# Altium PCB Levitador Magnetico.PcbDoc (part 1 of 3) (continued)
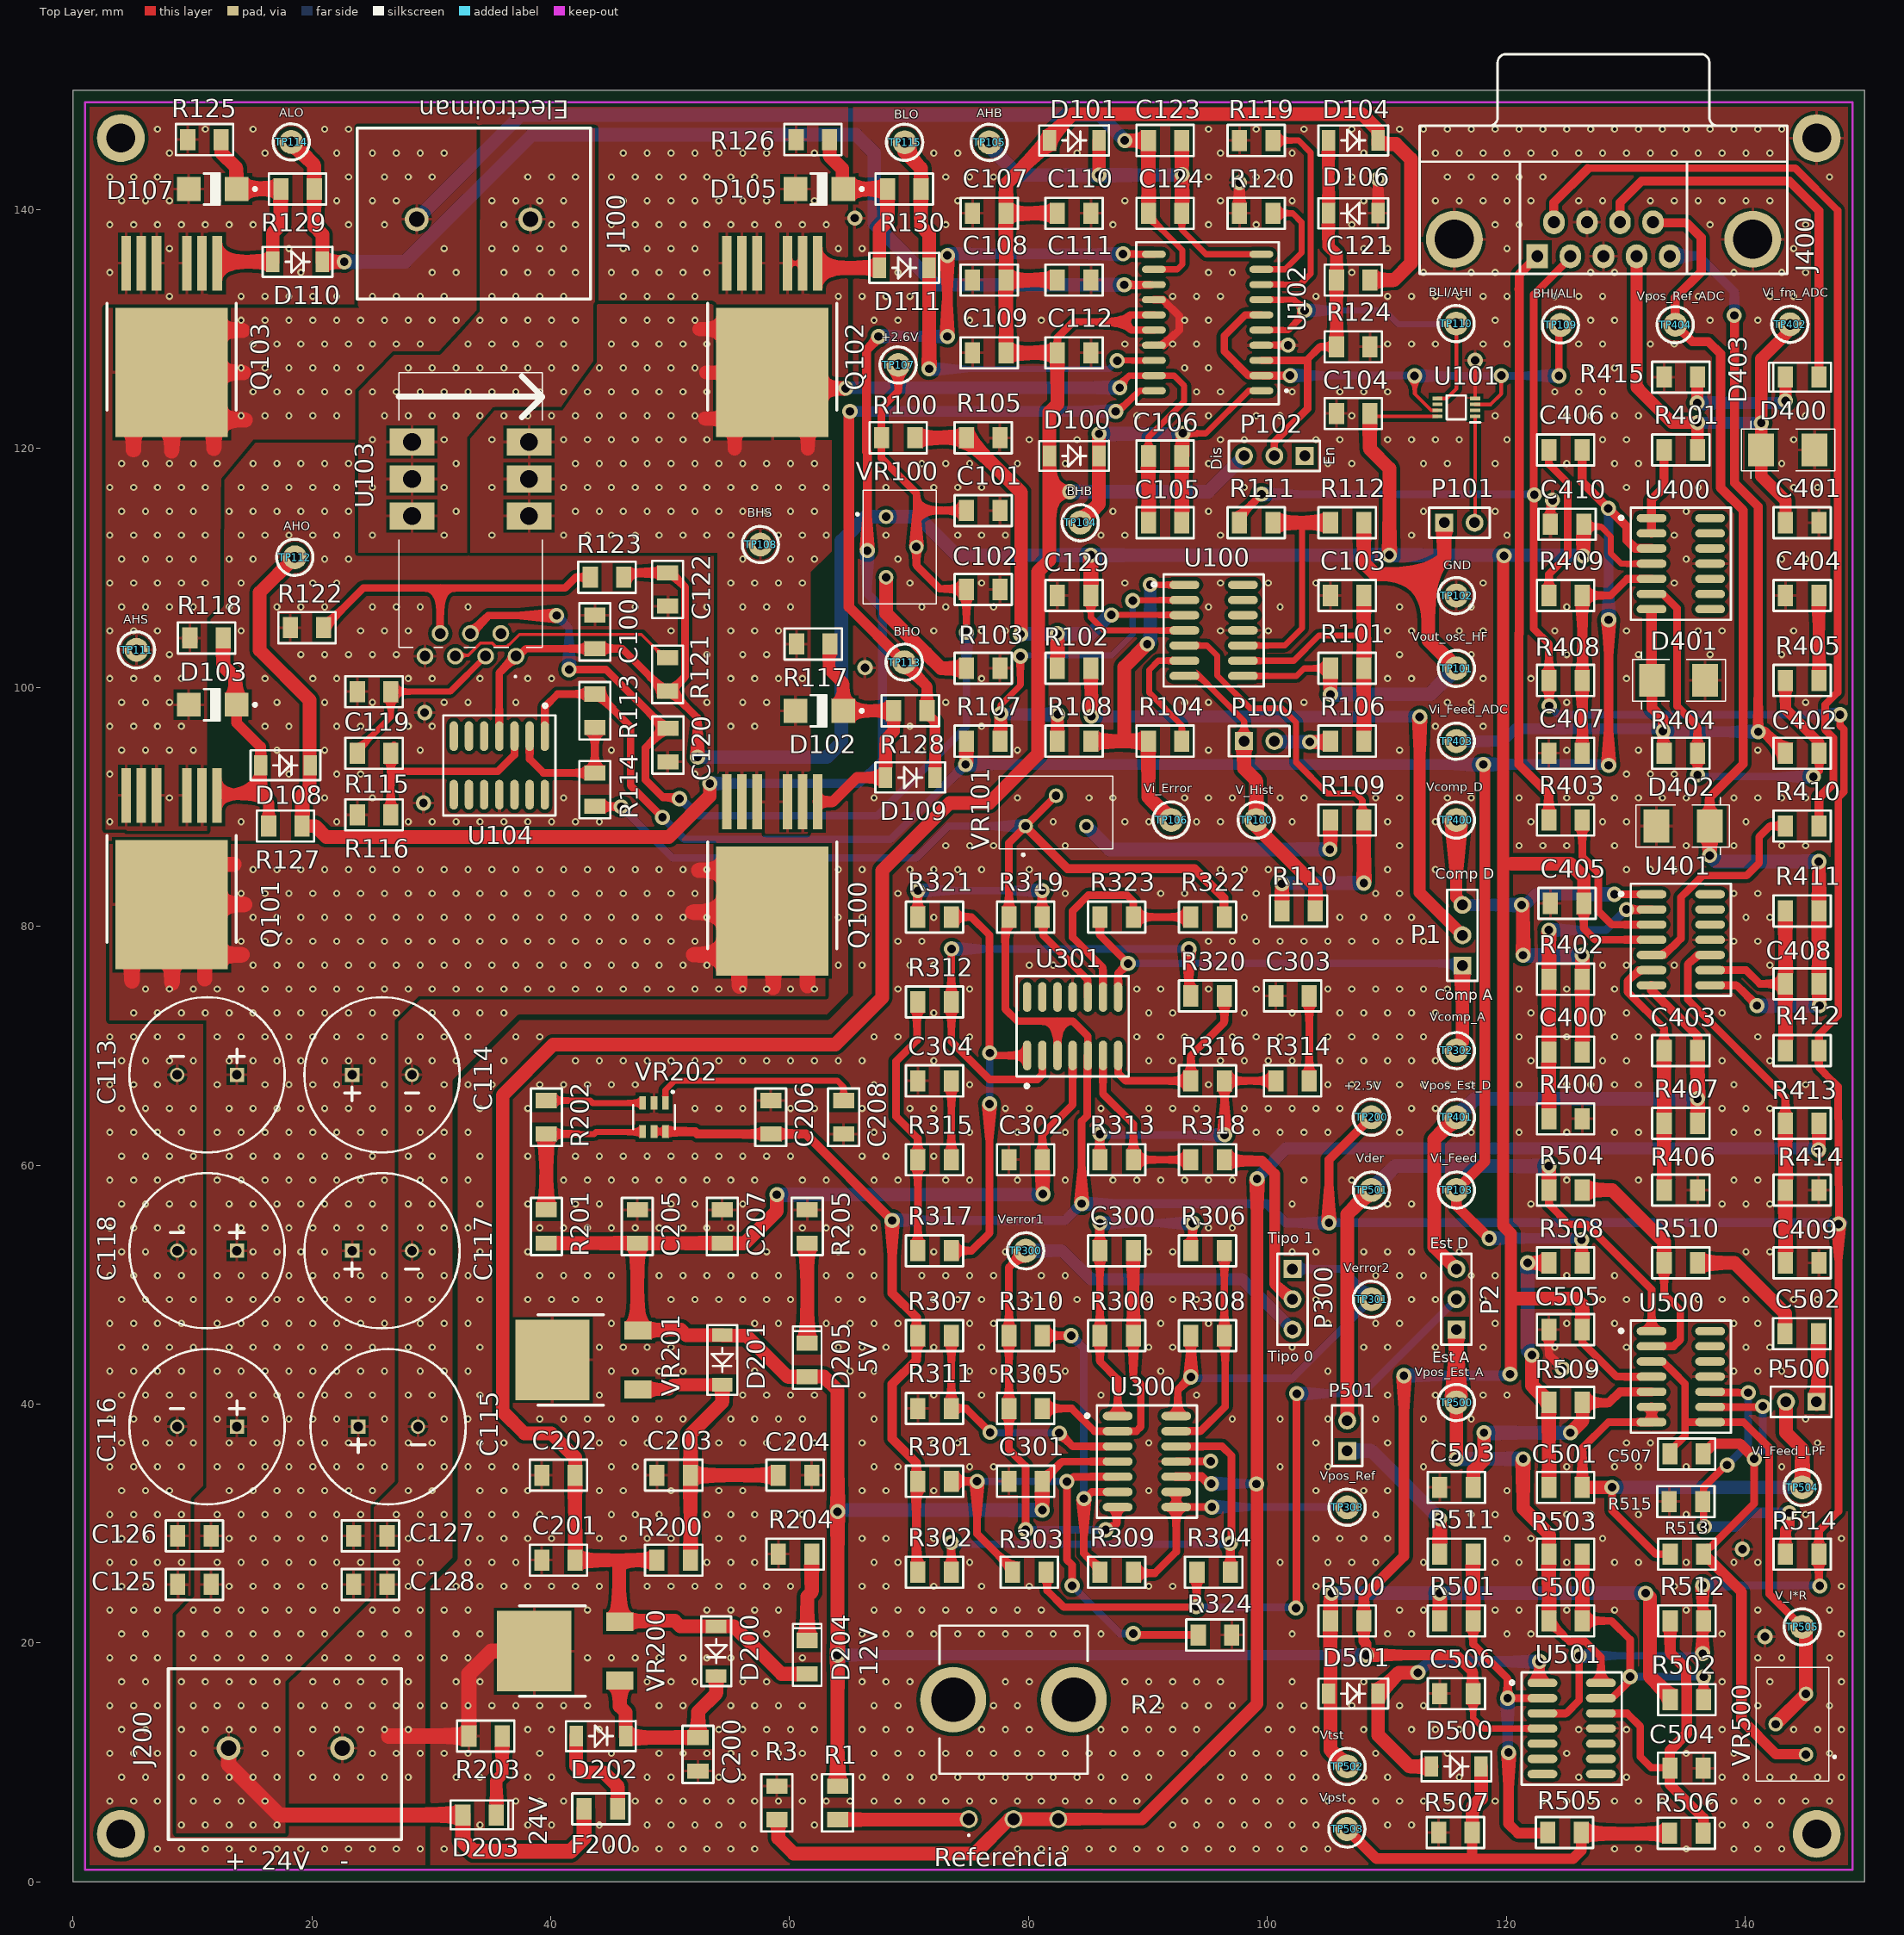
[diagram p0: Top Layer view]
## Components (designator, comment, footprint, x,y, rotation, side; value= is the part's Value field where it differs from the comment) (continued)
Q103 "IPB160N04" TO263-7S 8.258,126.365 r180 top
R1 "316" R1206 64.008,6.604 r90 top
R2 "Potenciometro" pote_5_pines_vertical 78.74,15.24 r0 top value=1k
R3 "4k99" R1206 58.928,6.604 r270 top
R100 "3k2" R1206 69.088,120.904 r180 top
R101 "10k" R1206 106.68,101.6 r180 top
R102 "10k" R1206 83.82,101.6 r180 top
R103 "1k" R1206 76.2,101.6 r180 top
R104 "500" R1206 91.44,95.504 r0 top
R105 "4k7" R1206 76.2,120.904 r180 top
R106 "15k" R1206 106.68,95.504 r0 top
R107 "10k" R1206 76.2,95.504 r0 top
R108 "10k" R1206 83.82,95.504 r0 top
R109 "500" R1206 106.68,88.9 r180 top
R110 "200k" R1206 102.616,81.28 r0 top
R111 "2k" R1206 99.06,113.792 r180 top
R112 "10k" R1206 106.68,113.792 r0 top
R113 "1k" R1206 43.688,98.044 r90 top
R114 "1k" R1206 43.688,91.44 r90 top
R115 "1k" R1206 25.2,94.488 r0 top
R116 "1k" R1206 25.2,89.332 r0 top
R117 "4k7" R1206 61.976,103.632 r0 top
R118 "4k7" R1206 11.176,104.14 r180 top
R119 "200k" R1206 99.06,145.796 r180 top
R120 "200k" R1206 99.06,139.7 r180 top
R121 "100K" R1206 49.784,101.092 r270 top
R122 "1k" R1206 19.583,105.004 r180 top
R123 "0R" R1206 44.704,109.22 r180 top
R124 "10k" R1206 107.188,128.524 r180 top
R125 "4k7" R1206 11.001,145.869 r180 top
R126 "4k7" R1206 61.944,145.869 r0 top
R127 "0R" R1206 17.78,88.392 r180 top
R128 "0R" R1206 70.104,98.044 r0 top
R129 "0R" R1206 18.796,141.732 r180 top
R130 "0R" R1206 69.596,141.732 r0 top
R200 "0R" R1206 50.292,26.924 r180 top
R201 "0R" R1206 39.624,54.864 r270 top
R202 "4k7" R1206 39.624,64.008 r270 top
R203 "2.37K" R1206 34.544,12.192 r0 top
R204 "1k" R1206 60.452,27.432 r180 top
R205 "300" R1206 61.468,54.864 r270 top
R300 "459K" R1206 87.376,45.72 r180 top
R301 "1k" R1206 72.136,33.528 r180 top
R302 "1k" R1206 72.136,25.908 r180 top
R303 "1k" R1206 80.061,25.908 r180 top
R304 "1k" R1206 95.504,25.908 r0 top
R305 "9.2k" R1206 79.756,39.624 r0 top
R306 "1k" R1206 94.996,52.832 r0 top
R307 "459k" R1206 72.136,45.72 r0 top
R308 "1k" R1206 94.996,45.72 r180 top
R309 "1015" R1206 87.376,25.908 r180 top
R310 "1k" R1206 79.756,45.72 r180 top
R311 "459k" R1206 72.136,39.624 r0 top
R312 "200k" R1206 72.136,73.66 r180 top
R313 "200k" R1206 87.376,60.452 r180 top
R314 "1100" R1206 102.108,67.056 r180 top
R315 "1100" R1206 72.136,60.452 r180 top
R316 "21.5k" R1206 94.996,67.056 r0 top
R317 "21.5k" R1206 72.136,52.832 r180 top
R318 "200k" R1206 94.996,60.452 r180 top
R319 "10k" R1206 79.756,80.772 r180 top
R320 "200k" R1206 94.996,74.168 r180 top
R321 "1k" R1206 72.136,80.772 r180 top
R322 "1k" R1206 94.996,80.772 r180 top
R323 "10k" R1206 87.376,80.772 r180 top
R324 "66.7k" R1206 95.614,20.658 r0 top
R400 "10k" R1206 124.968,63.881 r180 top
R401 "10k" R1206 134.62,119.888 r0 top
R402 "5k" R1206 124.968,75.565 r0 top
R403 "3.3k" R1206 124.968,88.9 r0 top
R404 "50k" R1206 134.62,94.488 r180 top
R405 "1k" R1206 144.78,100.584 r180 top
R406 "10k" R1206 134.62,57.912 r180 top
R407 "5k" R1206 134.62,63.5 r0 top
R408 "50k" R1206 124.968,100.584 r180 top
R409 "1k" R1206 124.968,107.696 r0 top
R410 "10k" R1206 144.78,88.392 r180 top
R411 "100k" R1206 144.78,81.28 r0 top
R412 "100k" R1206 144.78,69.596 r180 top
R413 "100k" R1206 144.78,63.5 r180 top
R414 "100k" R1206 144.78,57.912 r180 top
R415 "130" R1206 134.62,125.984 r0 top
R500 "1.8M" R1206 106.68,21.844 r0 top
R501 "3.56K" R1206 115.824,21.844 r180 top
R502 "100K" R1206 135.128,15.24 r0 top
R503 "100K" R1206 124.968,27.432 r0 top
R504 "25K" R1206 124.968,57.912 r180 top
R505 "3.56K" R1206 124.876,4.124 r0 top
R506 "100K" R1206 135.077,4.058 r0 top
R507 "1.8M" R1206 115.747,4.119 r0 top
R508 "8.9K" R1206 124.968,51.816 r180 top
R509 "15K" R1206 124.968,40.132 r0 top
R510 "10" R1206 134.62,51.816 r180 top
R511 "3.56K" R1206 115.824,27.432 r0 top
R512 "100K" R1206 135.128,21.844 r0 top
R513 "1K" R1206 135.128,27.432 r0 top
R514 "293" R1206 144.78,27.432 r180 top
R515 "1k" R1206 135.04,31.829 r0 top
TP100 "V_Hist" "TestPoint Keystone 5000 Silver-Red" 99.06,88.9 r90 top
TP101 "Vout_osc_HF" "TestPoint Keystone 5000 Silver-Red" 115.824,101.6 r90 top
TP102 "GND" "TestPoint Keystone 5000 Silver-Red" 115.824,107.696 r90 top
TP103 "Vi_Feed" "TestPoint Keystone 5000 Silver-Red" 115.824,57.912 r90 top
TP104 "BHB" "TestPoint Keystone 5000 Silver-Red" 84.328,113.792 r90 top
TP105 "AHB" "TestPoint Keystone 5000 Silver-Red" 76.708,145.635 r90 top
TP106 "Vi_Error" "TestPoint Keystone 5000 Silver-Red" 91.948,88.9 r0 top
TP107 "+2.6V" "TestPoint Keystone 5000 Silver-Red" 69.088,127 r0 top
TP108 "BHS" "TestPoint Keystone 5000 Silver-Red" 57.556,111.963 r0 top
TP109 "BHI/ALI" "TestPoint Keystone 5000 Silver-Red" 124.544,130.345 r0 top
TP110 "BLI/AHI" "TestPoint Keystone 5000 Silver-Red" 115.805,130.465 r0 top
TP111 "AHS" "TestPoint Keystone 5000 Silver-Red" 5.309,103.149 r0 top
TP112 "AHO" "TestPoint Keystone 5000 Silver-Red" 18.567,110.896 r0 top
TP113 "BHO" "TestPoint Keystone 5000 Silver-Red" 69.596,102.108 r0 top
TP114 "ALO" "TestPoint Keystone 5000 Silver-Red" 18.267,145.67 r0 top
TP115 "BLO" "TestPoint Keystone 5000 Silver-Red" 69.632,145.643 r0 top
TP200 "+2.5V" "TestPoint Keystone 5000 Silver-Red" 108.712,64.008 r0 top
TP300 "Verror1" "TestPoint Keystone 5000 Silver-Red" 79.756,52.832 r90 top
TP301 "Verror2" "TestPoint Keystone 5000 Silver-Red" 108.712,48.768 r90 top
TP302 "Vcomp_A" "TestPoint Keystone 5000 Silver-Red" 115.824,69.596 r90 top
TP303 "Vpos_Ref" "TestPoint Keystone 5000 Silver-Red" 106.685,31.344 r0 top
TP400 "Vcomp_D" "TestPoint Keystone 5000 Silver-Red" 115.824,88.9 r90 top
TP401 "Vpos_Est_D" "TestPoint Keystone 5000 Silver-Red" 115.824,64.008 r90 top
TP402 "Vi_Feed_mean_ADC" "TestPoint Keystone 5000 Silver-Red" 143.757,130.408 r0 top
TP403 "Vi_Feed_ADC" "TestPoint Keystone 5000 Silver-Red" 115.824,95.504 r0 top
TP404 "Vpos_Ref_ADC" "TestPoint Keystone 5000 Silver-Red" 134.151,130.37 r0 top
TP500 "Vpos_Est_A" "TestPoint Keystone 5000 Silver-Red" 115.824,40.132 r90 top
TP501 "Vder" "TestPoint Keystone 5000 Silver-Red" 108.712,57.912 r90 top
TP502 "Vtst" "TestPoint Keystone 5000 Silver-Red" 106.68,9.652 r0 top
TP503 "Vpst" "TestPoint Keystone 5000 Silver-Red" 106.665,4.407 r0 top
TP504 "Vi_Feed_LPF" "TestPoint Keystone 5000 Silver-Red" 144.78,33.02 r0 top
TP505 "V_I*R" "TestPoint Keystone 5000 Silver-Red" 144.78,21.336 r0 top
U100 "MCP664" SOIC14 95.504,104.14 r0 top
U101 "SN74LVC3G06DCUT" SOP50P310X90-8N 115.824,123.444 r180 top
U102 "HIP4081A" SOIC20 94.996,130.556 r180 top
U103 "HO_15-NP-0000" HO15NP0000 37.084,102.616 r90 top
U104 "MCP664" SOIC14 35.052,93.472 r270 top
U300 "MCP664" SOIC14 89.916,34.544 r0 top
U301 "MCP664" SOIC14 84.328,71.628 r90 top
U400 "MCP664" SOIC14 134.62,109.728 r0 top
U401 "MCP664" SOIC14 134.62,78.232 r0 top
U500 "MCP664" SOIC14 134.62,41.656 r0 top
U501 "MCP664" SOIC14 125.476,12.192 r0 top
VR100 "Trimmer (Thru-Hole)" 3299Y1203LF 68.072,114.3 r180 top value=1k
VR101 "Trimmer (Thru-Hole)" 3299Y1203LF 79.756,88.392 r270 top value=1k
VR200 "L78M12CDT-TR" TO252-AA 38.608,19.304 r90 top
VR201 "L78M05CDT-TR" TO252-AA 40.132,43.688 r90 top
VR202 "MAX6071" SOT23-6 48.641,64.008 r270 top
VR500 "Trimmer (Thru-Hole)" 3299Y1203LF 145.095,10.651 r0 top value=309

## Footprints (in the part's own frame and the unit in brackets; to place one, negate y for a bottom-side part, rotate by r counter-clockwise, add the part's x,y. Pads: shape width x height; smd on the part's side, far side on the other; paste and mask are expansions set on the pad)
3299Y1203LF [mm]
  round 1.217 hole 0.71: 1(0,0) 2(-2.54,2.54) 3(0,5.08)
  silkscreen extent -4.19,-2.22 2.5,7.3, body extent -4.19,-2.22 1.91,7.31, height 11.65
C1206 [mm]
  rect 1.27x1.778 smd: 1(-1.4,0) 2(1.4,0)
  silkscreen extent -2.4,-1.3 2.4,1.3, body extent -1.6,-0.8 1.6,0.8, height 1
CAPPRD500W60D1300H2650 [mm]
  rect 1.2x1.2 hole 0.8: 1(0,0)
  round 1.2 hole 0.8: 2(5,0)
  silkscreen extent -4,-6.5 9,6.5, body extent -4,-6.5 9,6.5, height 26.5
DB9H [mm]
  rect 1.8x2 hole 1: 1(0,0)
  oval 1.8x2 hole 1: 2(2.77,0) 3(5.54,0) 4(8.31,0) 5(11.08,0) 6(1.385,2.84) 7(4.155,2.84) 8(6.925,2.84) 9(9.695,2.84)
  round 4.76 hole 3.26: 10(-6.955,1.42) 11(18.035,1.42)
  silkscreen extent -9.86,-1.48 20.94,16.92, body extent -9.84,-2.08 20.97,16.99, height 12.58
HDR1X2 [mm]
  rect 1.5x1.5 hole 0.9: 1(0,0)
  round 1.5 hole 0.9: 2(2.54,0)
  silkscreen extent -1.27,-1.27 3.81,1.27, body extent -1.27,-1.27 3.81,1.27, height 8.54
HDR1X3 [mm] "Connector; Header; 3 Position"
  rect 1.5x1.5 hole 0.9: 1(0,0)
  round 1.5 hole 0.9: 2(2.54,0) 3(5.08,0)
  silkscreen extent -1.27,-1.27 6.35,1.27, body extent -1.27,-1.27 6.35,1.27, height 8.54
HO15NP0000 [mm]
  round 1.4 hole 0.9: 1(0,0) 2(1.905,1.27) 3(0,2.54) 4(1.905,3.81) 5(0,5.08) 6(1.905,6.35) 7(0,7.62)
  rect 2.25x3.75 hole 1.5: 8(11.735,8.71) 9(14.835,8.71) 10(17.935,8.71) 11(17.935,-1.09) 12(14.835,-1.09) 13(11.735,-1.09)
  silkscreen extent -1.75,-2.19 23.75,9.81, body extent -0.18,-2.21 23.75,9.79, height 11.9
"LED 1206 RED" [mm] "Led SMD 1206"
  rect 1.27x1.778 smd: 1(-1.4,0) 2(1.4,0)
  silkscreen extent -2.41,-1.2 2.79,1.2, body extent -1.66,-0.78 1.75,0.81, height 0.5
ONSC-SMA-2-403D-02_F_V [mm] "Molded, 2-Leads, Body 4.32x2.6mm"
  rect 2x2 smd: 1(-2,0) 2(2,0)
  silkscreen extent -3.68,-1.3 0.74,1.3, body extent -2.16,-1.3 2.16,1.3, height 2.2
pote_5_pines_vertical [mm]
  round 1.5 hole 1: 1(-3.75,-10) 2(0,-10) 3(3.75,-10)
  round 5.52 hole 3.68: GND(-5.05,0) GND(5.05,0)
  silkscreen extent -6.2,-11.4 6.2,6.2, body extent -6.79,-10.4 6.79,6.2, height 25.1
R1206 [mm]
  rect 1.27x1.778 smd: 1(-1.4,0) 2(1.4,0)
  silkscreen extent -2.4,-1.3 2.4,1.3, body extent -1.6,-0.8 1.6,0.8, height 1
SMB [mil] "Para diodos como  4007, supresores, etc"
  rect 85x108 smd: 1(0,0) 2(-175,0)
  silkscreen extent -240,-95 68,95, body extent -194,-55 14,55, height 92
SMKDS5-2-9.5 [mm] "Phoenix Contact; Terminal block; 2way; 32A max; 9.52mm pitch; 135°"
  round 2 hole 1.3: 1(-4.76,0) 2(4.76,0)
  silkscreen extent -9.8,-7.65 9.73,6.65, body extent -10.08,-7.5 9.53,11, height 21.5
SODFL4725X105N [mm]
  rect 1.12x1.72 smd: 1(-2.075,0) 2(2.075,0)
  silkscreen extent -2.92,-1.27 2.92,1.25, body extent -2.35,-1.25 2.35,1.25, height 1.05
SOIC14 [mm]
  oval 2.5x0.7 smd: 1(-2.45,4.445) 2(-2.45,3.175) 3(-2.45,1.905) 4(-2.45,0.635) 5(-2.45,-0.635) 6(-2.45,-1.905) 7(-2.45,-3.175) 8(2.45,-3.175) 9(2.45,-1.905) 10(2.45,-0.635) 11(2.45,0.635) 12(2.45,1.905) 13(2.45,3.175) 14(2.45,4.445)
  silkscreen extent -5.16,-4.06 4.19,5.33, body extent -3.12,-3.68 3.07,4.95, height 1.7
SOIC20 [mm]
  oval 2x0.6 smd: 1(-4.5,5.715) 2(-4.5,4.445) 3(-4.5,3.175) 4(-4.5,1.905) 5(-4.5,0.635) 6(-4.5,-0.635) 7(-4.5,-1.905) 8(-4.5,-3.175) 9(-4.5,-4.445) 10(-4.5,-5.715) 11(4.5,-5.715) 12(4.5,-4.445) 13(4.5,-3.175) 14(4.5,-1.905) 15(4.5,-0.635) 16(4.5,0.635) 17(4.5,1.905) 18(4.5,3.175) 19(4.5,4.445) 20(4.5,5.715)
  silkscreen extent -6.68,-6.73 5.97,6.86, body extent -5.31,-6.5 5.32,6.5, height 2.66
SOP50P310X90-8N [mm]
  rect 0.85x0.3 smd: 1(-1.575,0.75) 2(-1.575,0.25) 3(-1.575,-0.25) 4(-1.575,-0.75) 5(1.575,-0.75) 6(1.575,-0.25) 7(1.575,0.25) 8(1.575,0.75)
  silkscreen extent -2,-1 0.8,1.25, body extent -1.55,-1 1.55,1, height 0.77
SOT23-6 [mm]
  rect 1.1x0.55 smd: 1(-1.2,0.95) 2(-1.2,0) 3(-1.2,-0.95) 4(1.2,-0.95) 5(1.2,0) 6(1.2,0.95)
  silkscreen extent -2.19,-1.75 1,1.75, body extent -1.5,-1.5 1.5,1.5, height 1.39
"TestPoint Keystone 5000 Silver-Red" [mm]
  round 2 hole 0.9: 1(0,0)
  silkscreen extent -1.52,-1.52 1.51,1.52, body extent -1.27,-1.27 1.27,1.27, height 4.89
TO252-AA [mil]
  rect 60x89 smd: 1(-97,-282) 3(97,-282)
  rect 265x245 smd: 2(0,0)
  silkscreen extent -149,-169 149,48, body extent -133,-291 133,107, height 156
TO263-7S [mm]
  rect 0.8x4.6 smd: 1(-3.81,-9.15) 2(-2.54,-9.15) 3(-1.27,-9.15) 5(1.27,-9.15) 6(2.54,-9.15) 7(3.81,-9.15)
  rect 9.4x10.8 smd: 4(0,0)
  silkscreen extent -5.41,-5.79 5.41,3.15, body extent -5.03,-10.97 4.97,4.7, height 4.78

## Part data
C100 C102 C104 C110 C111 C112 C125 C126 C127 C128 C129 C206 C207 C208 C301 C302 C405 C410 C505 C506: "CAP CER 0.1UF 50V X7R 1206", Manufacturer=Venkel, Mfr PN=C1206X7R500-104KNE, Supplier 1=Digi-Key, Supplier 1 PN=2679-C1206X7R500-104KNETR-ND
C101 C200 C303 C304 C502: "CAP CER 1UF 25V X7R 1206", Manufacturer="CAL-CHIP ELECTRONICS, INC.", Mfr PN=GMC31X7R105M25NT, Supplier 1 PN=2571-GMC31X7R105M25NTTR-ND
  C101 C200 C502: Supplier 1=Digi-Key
  C303 C304: Supllier 1=Digi-Key
C103: "CAP CER 910PF 50V NP0 1206", Manufacturer=KEMET, Mfr PN=C1206C911J5GAC7800, Supplier 1=Digi-Key, Supplier 1 PN=399-14715-1-ND
C105 C106 C123 C124: "CAP CER 4.7UF 50V X7R 1206", Manufacturer="Samsung Electro-Mechanics", Mfr PN=CL31B475KBHNFNE, Supplier 1=Digi-Key, Supplier 1 PN=1276-3179-1-ND
C107 C108 C109: "CAP1206 X5R 2.2UF 20% 35V", Manufacturer="CAL-CHIP ELECTRONICS, INC.", Mfr PN=GMC31X5R225M35NT, Supplier 1=Digi-Key, Supplier 1 PN=2571-GMC31X5R225M35NTTR-ND
C113 C114 C115 C116 C117 C118: "CAP ALUM 2200UF 20% 35V RADIAL", Manufacturer="United Chemi-Con", Mfr PN=EKY-350ELL222MM25S, Datasheet Link=https://www.digikey.com/en/products/detail/united-chemi-con/EKY-350ELL222MM25S/756106, Supplier 1=Digi-Key, Supplier 1 PN=565-1590-ND
C119: "CAP CER 4700PF 200V X7R 1206", Manufacturer="CAL-CHIP ELECTRONICS, INC.", Mfr PN=GMC31X7R472K200NT, Ssupplier 1=Digi-Key, Supplier 1 PN=2571-GMC31X7R472K200NTTR-ND
C120 C122: "CAP CER 0.047UF 50V C0G/NP0 1206", Manufacturer="CAL-CHIP ELECTRONICS, INC.", Mfr PN=GMC31CG473J50NT, Supplier 1=Digi-Key, Supplier 1 PN=2571-GMC31CG473J50NTTR-ND
C121: "CAP CER 10UF 16V X7R 1206", Manufacturer="CAL-CHIP ELECTRONICS, INC.", Mfr PN=GMC31X7R106M16NT, Supplier 1=Digi-Key, Supplier 1 PN=2571-GMC31X7R106M16NTTR-ND
C201 C202 C203 C300: "CAP CER 22UF 16V X5R 1206", Manufacturer="Samsung Electro-Mechanics", Mfr PN=CL31A226MOCLNNC, Supplier 1=Digi-Key, Supplier 1 PN=1276-2728-1-ND
C204: "CAP CER 0.22UF 50V X7R 1206", Manufacturer="Samsung Electro-Mechanics", Mfr PN=CL31B224KBFNNNE, Supplier 1=Digi-Key, Supplier 1 PN=1276-1106-1-ND
C205: "CAP CER 47UF 10V X5R 1206", Manufacturer="Taiyo Yuden", Mfr PN=LMK316BJ476ML-T, Supplier 1=Digi-Key, Supplier 1 PN=587-1780-1-ND
C400 C403: "CAP CER 0.018UF 100V X7R 1206", Manufacturer=KEMET, Mfr PN=C1206C183K1RAC7800, Supplier 1=Digi-Key, Supplier 1 PN=399-C1206C183K1RAC7800CT-ND
C401: "CAP CER 0.15UF 50V X7R 1206", Manufacturer="KYOCERA AVX", Mfr PN=12065C154KAT2A, Supplier 1=Digi-Key, Supplier 1 PN=478-1558-1-ND
C402 C407: "CAP CER 270PF 50V C0G/NP0 1206", Manufacturer=KEMET, Mfr PN=C1206C271J5GAC7800, Supplier 1=Digi-Key, Supplier 1 PN=399-14675-1-ND
C404 C406: "CAP CER 1.5UF 10V X7R 1206", Manufacturer=YAGEO, Mfr PN=CC1206KKX7R6BB155, Supplier 1=Digi-Key, Supplier 1 PN=311-3452-1-ND
C408 C409: "CAP CER 0.016UF 50V C0G/NP0 1206", Manufacturer="Murata Electronics", Mfr PN=GRM3195C1H163JA01D, Supplier 1=Digi-Key, Supplier 1 PN=490-12760-1-ND
C500 C504: "CAP CER 10000PF 500V X7R 1206", Manufacturer=KEMET, Mfr PN=C1206C103KCRAC7800, Supplier 1=Digi-Key, Supplier 1 PN=399-C1206C103KCRAC7800CT-ND
C501: "CAP CER 1000PF 2KV X7R 1206", Manufacturer="Johanson Dielectrics Inc.", Mfr PN=202R18W102KV4E, Supplier 1=Digi-Key, Supplier 1 PN=709-1036-1-ND
C503: "CAP CER 470PF 1KV C0G/NP0 1206", Manufacturer="Samsung Electro-Mechanics", Mfr PN=CL31C471JIHNNNE, Supplier 1=Digi-Key, Supplier 1 PN=1276-3279-1-ND
C507: "CAP CER 5100PF 100V NP0 5% 1206", Manufacturer=KEMET, Mfr PN=C1206C512J1GAC7800, Supplier 1=Digi-Key, Supplier 1 PN=399-16393-1-ND
D100 D101 D104 D106: "DIODE SCHOTTKY 30V 2A PMDTM", Manufacture="ROHM Semiconductor", Datasheet Link=https://fscdn.rohm.com/en/products/databook/datasheet/discrete/diode/schottky_barrier/rsx205lam30tr-e.pdf, Mfr PN=RSX205LAM30TR, Supplier 1=Digi-Key, Supplier 1 PN=RSX205LAM30CT-ND
D102 D103 D105 D107: library part 1SMA60CAT3G, "TVS DIODE 18VWM 29.2VC DO214AC", Manufacturer="Littelfuse Inc.", Mfr PN=SMAJ18A, ComponentLink1Description="Manufacturer URL", ComponentLink1URL=http://www.onsemi.com/, ComponentLink2Description=Datasheet, ComponentLink2URL=http://www.onsemi.com/pub_link/Collateral/1SMA10CAT3-D.PDF, ComponentLink3Description="Package Specification", ComponentLink3URL=http://www.onsemi.com/pub_link/Collateral/1SMA5913BT3-D.PDF, Supplier 1=Digi-Key, Supplier 1 PN=SMAJ18ALFCT-ND
D108 D109 D110 D111 D200 D201 D202 D500 D501: "DIODE SCHOTTKY 30V 2A PMDTM", Manufacturer="ROHM Semiconductor", Mfr PN=RSX205LAM30TR
  D108 D109 D110 D111: Datasheet Link=https://fscdn.rohm.com/en/products/databook/datasheet/discrete/diode/schottky_barrier/rsx205lam30tr-e.pdf, Supplier 1=RSX205LAM30CT-ND, Supplier 1 PN=1.05mm
  D200 D201 D202 D500 D501: Supplier 1=Digi-Key, Supplier 1 PN=RSX205LAM30CT-ND
D203 D204 D205 D403: "1206 RED SMD LED", Manufacturer="American Opto Plus LED", Mfr PN=L152L-LIC
  D203 D204 D205: Supplier 1=Digi-Key, Supplier 1 PN=2460-L152L-LICTR-ND
  D403: Sipplier 1 PN=Digi-Key, Supplier 1=2460-L152L-LICTR-ND
D400 D401 D402: "DIODE ZENER 3.6V 3W SMB", Manufacturer=onsemi, Mfr PN=1SMB5914BT3G, Supplier 1=Digi-Key, Supplier 1 PN=1SMB5914BT3GOSCT-ND
F200: "FUSE 500MA 125VAC FAST 1206", Manufacturer="Bel Fuse Inc.", Mfr PN="C1F 500", Datasheet=https://belfuse.com/resources/datasheets/circuitprotection/ds-cp-c1f-series.pdf, Supplier 1=Digi-Key, Supplier 1 PN=507-1876-1-ND
J100 J200 P100 P101 P500 P501: "TERM BLK 2P SIDE ENT 2.54MM PCB", Manufacturer="TE Connectivity AMP Connectors", Mfr PN=282834-2, Link=https://www.digikey.com/en/products/detail/te-connectivity-amp-connectors/282834-2/1150135, Supplier 1=Digi-Key, Supplier 1 PN=A98333-ND
  P101: LatestRevisionDate=17-Jul-2002
J400: "CONN D-SUB RCPT 9POS R/A SLDR", Manufacturer="Assmann WSW Components", Mfr PN="A-DF 09 A/KG-T4S", Supplier 1=Digi-Key, Supplier 1 PN=AE10924-ND
P1 P2 P102 P300: "TERM BLK 3P SIDE ENT 2.54MM PCB", Manufacturer="TE Connectivity AMP Connectors", Mfr PN=282834-3, Link=https://www.digikey.com/en/products/detail/te-connectivity-amp-connectors/282834-3/1153264, Supplier 1=Digi-Key, Supplier 1 PN=A98334-ND
  P1 P2: Class=Connector, Supplier 2=Mouser, Supplier 2 PN=571-2828343
  P102: Class=Connector
Q100 Q101 Q102 Q103: "MOSFET N-CH 40V 160A TO263-7", Manufacturer="Infineon Technologies", Mfr PN=IPB160N04S3H2ATMA1, Datasheet=https://www.infineon.com/dgdl/Infineon-IPB160N04S3_H2-DS-v01_00-en.pdf?fileId=db3a304412b407950112b42b8da04548&ack=t, Supplier 1=Digi-Key, Supplier 1 PN=IPB160N04S3H2ATMA1CT-ND
R1: library part R1206, "RES 316 OHM 1% 1/4W 1206", Manufacturer="Stackpole Electronics Inc", Mfr PN=RMCF1206FT316R, Tolerance=1%, LatestRevisionDate=29/7/2021, PackageDescription="SMT Chip Resistor", PackageReference=1206, Supplier 1=Digi-Key, Supplier 1 PN=RMCF1206FT316RCT-ND
R2: "POT 1K OHM 0.08W CARBON LINEAR", Manufacturer="Bourns Inc.", Mfr PN=PDB12-H4251-102BF, Supplier 1=Digi-Key, Supplier 1 PN=PDB12-H4251-102BF-ND
R3: library part R1206, "RES 4.99K OHM 1% 1/4W 1206", Manufacturer="Stackpole Electronics Inc", Mfr PN=RMCF1206FT4K99, Tolerance=1%, LatestRevisionDate=29/7/2021, PackageDescription="SMT Chip Resistor", PackageReference=1206, Supplier 1=Digi-Key, Supplier 1 PN=RMCF1206FT4K99CT-ND
R100: library part R1206, "RES 3.2K OHM 1% 1/4W 1206", Manufacturer="KOA Speer Electronics, Inc.", Mfr PN=RN73H2BTTD3201F25, Tolerance=1%, PackageReference=1206, Supplier 1=Digi-Key, Supplier 1 PN=2019-RN73H2BTTD3201F25CT-ND
R101 R102 R107 R108 R112 R124 R319 R323 R400 R401 R406 R410: library part R1206, "RES 10K OHM 1% 1/4W 1206", Manufacturer=YAGEO, Mfr PN=RC1206FR-0710KL, Tolerance=1%, PackageReference=1206, Supplier 1=Digi-Key, Supplier 1 PN=311-10.0KFRCT-ND
R103 R113 R114 R115 R116 R122 R204 R301 R302 R303 R304 R306 R308 R310 R321 R322 R405 R409 R513 R515: library part R1206, "RES 1K OHM 1% 1/4W 1206", Manufacturer="Stackpole Electronics Inc", Mfr PN=RMCF1206FT1K00, Tolerance=1%, Supplier 1=Digi-Key, Supplier 1 PN=RMCF1206FT1K00CT-ND
  R113 R114 R115 R116 R122 R303 R306 R308 R310 R321 R322 R405 R409: PackageReference=1206
  R301: PackageDescription="SMT Chip Resistor", PackageReference=1206
R104 R109: library part R1206, "RES SMD 500 OHM 0.1% 0.3W 1206", Manufacturer="Vishay Foil Resistors (Division of Vishay Precision Group)", Mfr PN=Y1625500R000B9W, Tolerance=0.1%, PackageReference=1206, Supplier 1=Digi-Key, Supplier 1 PN=Y1625500R000B9W-ND
R105 R117 R118 R125 R126 R202: library part R1206, "RES 4.7K OHM 1% 1/4W 1206", Manufacturer="Stackpole Electronics Inc", Mfr PN=RMCF1206FT4K70, Tolerance=1%, PackageReference=1206, Supplier 1=Digi-Key, Supplier 1 PN=RMCF1206FT4K70CT-ND
R106 R509: library part R1206, "RES 15K OHM 1% 1/4W 1206", Manufacturer="Vishay Dale", Mfr PN=CRCW120615K0FKEAC, Tolerance=1%, PackageReference=1206, Supplier 1=Digi-Key, Supplier 1 PN=541-CRCW120615K0FKEACCT-ND
R110 R119 R120 R312 R313 R318 R320: library part R1206, "RES 200K OHM 1% 1/4W 1206", Manufacturer=YAGEO, Mfr PN=RC1206FR-07200KL, Tolerance=1%, PackageReference=1206, Supplier 1=Digi-Key, Supplier 1 PN=311-200KFRCT-ND
R111: library part R1206, "RES 2K OHM 1% 1/4W 1206", Manufacturer="Stackpole Electronics Inc", Mfr PN=RMCF1206FT2K00, Tolerance=1%, PackageReference=1206, Supplier 1=Digi-Key, Supplier 1 PN=RMCF1206FT2K00CT-ND
R121 R411 R412 R413 R414 R502 R503 R506 R512: library part R1206, "RES 100K OHM 1% 1/4W 1206", Manufacturer="Stackpole Electronics Inc", Mfr PN=RMCF1206FT100K, Tolerance=1%, Supplier 1=Digi-Key, Supplier 1 PN=RMCF1206FT100KCT-ND
  R121 R411 R412 R413 R414: PackageReference=1206
R123 R127 R128 R129 R130 R200 R201: library part R1206, "RES 0 OHM JUMPER 1/4W 1206", Manufacturer="Stackpole Electronics Inc", Mfr PN=RMCF1206ZT0R00, Supplier 1=Digi-Key, Supplier 1 PN=RMCF1206ZT0R00CT-ND
  R123 R127 R128 R129 R130: PackageReference=1206
R203: library part R1206, "RES 2.37K OHM 1% 1/4W 1206", Manufacturer="Stackpole Electronics Inc", Mfr PN=RMCF1206FG2K37, Tolerance=1%, Supplier 1=Digi-Key, Supplier 1 PN=RMCF1206FG2K37CT-ND
R205: library part R1206, "RES 300 OHM 1% 1/4W 1206", Manufacturer=YAGEO, Mfr PN=RC1206FR-10300RL, Tolerance=1%, Supplier 1=Digi-Key, Supplier 1 PN=13-RC1206FR-10300RLCT-ND
R300 R307: library part R1206, "RES 459K OHM 1% 1/4W 1206", Manufacturer="KOA Speer Electronics, Inc.", Mfr PN=RN73H2BTTD4593F10, Tolerance=1%, PackageReference=1206, Supplier 1=Digi-Key, Supplier 1 PN=2019-RN73H2BTTD4593F10CT-ND
R305 R311: library part R1206, "RES 9.2K OHM 1% 1/4W 1206", Manufacturer="KOA Speer Electronics, Inc.", Mfr PN=RN73H2BTTD9201F10, Tolerance=1%, PackageReference=1206, Supplier 1=Digi-Key, Supplier 1 PN=2019-RN73H2BTTD9201F10CT-ND
R309: library part R1206, "RES 1.01K OHM 0.1% 1/3W 1206", Manufacturer="Stackpole Electronics Inc", Mfr PN=RNCF1206BTE1K01, Tolerance=1%, Supplier 1=Digi-Key, Supplier 1 PN=RNCF1206BTE1K01
R314 R315: library part R1206, "RES 1.1K OHM 1% 1/4W 1206", Manufacturer=YAGEO, Mfr PN=RC1206FR-071K1L, Tolerance=1%, PackageReference=1206, Supplier 1=Digi-Key, Supplier 1 PN=311-1.10KFRCT-ND
R316 R317: library part R1206, "RES 21.5K OHM 1% 1/4W 1206", Manufacturer=YAGEO, Mfr PN=RC1206FR-0721K5L, Tolerance=1%, PackageReference=1206, Supplier 1=Digi-Key, Supplier 1 PN=311-21.5KFRCT-ND
R324: library part R1206, "RES 1K OHM 1% 1/4W 1206", Manufacturer=YAGEO, Mfr PN=RC1206FR-0766K5L, Tolerance=1%, PackageDescription="SMT Chip Resistor", PackageReference=1206, Supplier 1=Digi-Key, Supplier 1 PN=311-66.5KFRCT-ND
R402 R407: library part R1206, "RES SMD 5K OHM 1% 0.3W 1206", Manufacturer="Vishay Foil Resistors (Division of Vishay Precision Group)", Mfr PN=Y16255K00000F9W, Tolerance=1%, PackageReference=1206, Supplier 1=Digi-Key, Supplier 1 PN=Y16255K00000F9W-ND
R403: library part R1206, "RES SMD 3.3K OHM 1% 3/4W 1206", Manufacturer="Vishay Dale", Mfr PN=CRCW12063K30FKEAHP, Tolerance=1%, PackageReference=1206, Supplier 1=Digi-Key, Supplier 1 PN=541-3.30KUCT-ND
R404 R408: library part R1206, "RES SMD 50K OHM 0.1% 1/4W 1206", Manufacturer=YAGEO, Mfr PN=RT1206BRD0750KL, Tolerance=0.1%, PackageReference=1206, Supplier 1=Digi-Key, Supplier 1 PN=13-RT1206BRD0750KLCT-ND
R415: library part R1206, "RES 130 OHM 1% 1/4W 1206", Manufacturer="Stackpole Electronics Inc", Mfr PN=RMCF1206FT130R, Tolerance=1%, Supplier 1=Digi-Key, Supplier 1 PN=RMCF1206FT130RCT-ND
R500 R507: library part R1206, "RES 1.8M OHM 1% 1/4W 1206", Manufacturer=YAGEO, Mfr PN=RC1206FR-071M8L, Tolerance=1%, Supplier 1=Digi-Key, Supplier 1 PN=311-1.80MFRCT-ND
R501 R505 R511: library part R1206, "RES 3.57K OHM 1% 1/4W 1206", Manufacturer=YAGEO, Mfr PN=RC1206FR-073K57L, Tolerance=1%, Supplier 1=Digi-Key, Supplier 1 PN=311-3.57KFRCT-ND
R504: library part R1206, "RES SMD 25K OHM 1% 1/4W 1206", Manufacturer="Vishay Foil Resistors (Division of Vishay Precision Group)", Mfr PN=Y163025K0000F0W, Tolerance=1%, PackageReference=1206, Supplier 1=Digi-Key, Supplier 1 PN=Y163025K0000F0W-ND
R508: library part R1206, "RES 8.87K OHM 1% 1/4W 1206", Manufacturer=YAGEO, Mfr PN=RC1206FR-078K87L, Tolerance=1%, PackageReference=1206, Supplier 1=Digi-Key, Supplier 1 PN=311-8.87KFRCT-ND
R510: library part R1206, "RES 10 OHM 1% 1/4W 1206", Manufacturer="Stackpole Electronics Inc", Mfr PN=RMCF1206FT10R0, Tolerance=1%, Supplier 1=Digi-Key, Supplier 1 PN=RMCF1206FT10R0CT-ND
R514: library part R1206, "RES SMD 294 OHM 1% 1/4W 1206", Manufacturer="Vishay Dale", Mfr PN=CRCW1206294RFKEA, Tolerance=1%, Supplier 1=Digi-Key, Supplier 1 PN=541-294FCT-ND
TP100 TP101 TP102 TP103 TP104 TP105 TP106 TP107 TP108 TP109 TP110 TP111 TP112 TP113 TP114 TP115 TP200 TP300 TP301 TP302 TP303 TP400 TP401 TP402 TP403 TP404 TP500 TP501 TP502 TP503 TP504 TP505: library part Testpoint, "PC TEST POINT MINIATURE RED", Manufacturer="Keystone Electronics", Mfr PN=5000, Link=https://www.digikey.com/en/products/detail/keystone-electronics/5000/255326, Supplier 1=Digi-Key, Supplier 1 PN=36-5000-ND
U100 U300 U400 U401 U500 U501: "IC OPAMP GP 4 CIRCUIT 14TSSOP", Manufacturer="Microchip Technology", Mfr PN=MCP664-E/ST, Datasheet=https://ar.mouser.com/datasheet/2/268/20002194E-2448650.pdf, Supplier 1=Digi-Key, Supplier 1 PN=MCP664-E/ST-ND
U101: "IC INVERTER OD 3CH 3-INP 8VSSOP", Manufacturer="Texas Instruments", Datasheet Link=http://www.ti.com/lit/gpn/SN74LVC3G06, Mfr PN=SN74LVC3G06DCUT, Supplier 1=Digi-Key, Supplier 1 PN=296-46211-1-ND
U102: "IC GATE DRVR HALF-BRIDGE 20SOIC", Manufacturer="Renesas Electronics America Inc", Mfr PN=HIP4081AIBZ, Datasheet=https://www.mouser.jp/datasheet/2/698/hip4081a-1528771.pdf, Supplier 1=Digi-Key, Supplier 1 PN=HIP4081AIBZ-ND
U103: "SENSOR CURRENT HALL 15A AC/DC", Manufacturer="LEM USA Inc.", Mfr PN="HO 15-NP-0000", Datasheet Link=http://www.farnell.com/datasheets/2150001.pdf, Supplier 1=Digi-Key, Supplier 1 PN=398-1142-ND
U104: "IC OPAMP GP 4 CIRCUIT 14TSSOP", Manufacturer="Microchip Technology", Part Number=MCP664-E/ST, Datasheet=https://ar.mouser.com/datasheet/2/268/20002194E-2448650.pdf, Supplier 1=Digi-Key, Supplier 1 PN=MCP664-E/ST-ND
U301: "IC OPAMP GP 4 CIRCUIT 14TSSOP", Manufacture="Microchip Technology", Mfr PN=MCP664-E/ST, Datasheet=https://ar.mouser.com/datasheet/2/268/20002194E-2448650.pdf, Manufacturer="Microchip Technology", Supplier 1=Digi-Key, Supplier 1 PN=MCP664-E/ST-ND
VR100: library part Trimmer, "e", Manufacturer="Bourns Inc.", Mfr PN=3299Y-1-102LF, Supplier 1=Digi-Key, Supplier 1 PN=3299Y-102LF-ND
VR101: library part Trimmer, "TRIMMER 1K OHM 0.5W PC PIN TOP", Manufacturer="Bourns Inc.", Mfr PN=3299Y-1-102LF, Supplier 1=Digi-Key, Supplier 1 PN=3299Y-102LF-ND
VR200: library part "Volt Reg", "Voltage Regulator", Manufacturer=STMicroelectronics, Mfr PN=L78M12CDT-TR, Supplier 1=Digi-Key, Supplier 1 PN=497-1211-1-ND
VR201: library part "Volt Reg", "IC REG LINEAR 5V 500MA DPAK", Manufacturer=STMicroelectronics, Mfr PN=L78M05CDT-TR, Supplier 1=Digi-Key, Supplier 1 PN=497-1203-1-ND
VR202: "IC VREF SERIES 0.08% SOT23-6", Manufacturer="Analog Devices Inc./Maxim Integrated", Mfr PN=MAX6071BAUT41+T, Datasheet=https://ar.mouser.com/datasheet/2/256/MAX6070_MAX6071-217862.pdf, Supplier 1=Digi-Key, Supplier 1 PN=MAX6071BAUT41+TCT-ND
VR500: library part Trimmer, "TRIMMER 500 OHM 0.5W PC PIN TOP", Manufacturer="Bourns Inc.", Mfr PN=3299Y-1-501LF, Supplier 1=Digi-Key, Supplier 1 PN=3299Y-501LF-ND

## Free pads (board coordinates)
  round 4 hole 2.4: 0(4,4) 0(4,146) 0(146,4) 0(146,146)

## Via types
v1: diameter 0.6, hole 0.3, Top Layer to Bottom Layer, tented both sides, 1902 vias
v2: diameter 0.6, hole 0.3, Top Layer to Bottom Layer, 358 vias
v3: diameter 1.27, hole 0.711, Top Layer to Bottom Layer, tented both sides, 165 vias
v4: diameter 1.27, hole 0.711, Top Layer to Bottom Layer, 3 vias

## Nets (pads, with @x,y where several pads share a name; then routed paths per layer and width w, separated by ;. In a path a pad name is that pad's centre, name@x,y a point inside that pad or via, vN(x,y) a via of type N, cw(c..) or ccw(c..) an arc to the next point about the centre after c; other vN are vias at no path point)
+2.5V: C206.2 J400.2 R111.2 R114.1 R301.2 R302.2 R307.1 R319.2 R322.1 R408.2 R412.1 R512.2 R514.1 TP200.1 U301.3 U301.5 U501.3 VR101.1 VR101.2 VR202.5 VR202.6 | length 449.2
  Top Layer w0.508: VR202.5@48.641,62.808 VR202.6@49.591,62.808
  Top Layer w0.635: R114.1@43.71,90.018 v3(45.898,90.018) ; VR101.1@79.73,88.366 78.356,86.992 R319.2@78.356,80.772 78.054,80.47 78.054,73.076 79.07,72.06 82.423,72.06 ; VR101.1@79.756,88.392 VR101.2@82.296,90.932 ; U301.3@82.423,69.178 82.423,72.06 ; v3(84.455,56.769) 84.455,63.678 84.912,64.135 U301.5@84.912,69.127 ; U301.5@84.963,69.178 84.963,70.79 83.693,72.06 82.423,72.06 ; R111.2@97.66,113.792 97.66,114.322 v3(99.517,116.18) ; U501.3@123.026,14.097 125.019,14.097 126.105,15.183 v3(126.105,18.917) ; v3(123.596,98.45) 123.568,98.479 R408.2@123.568,100.584 123.568,103.635 122.301,104.902 122.301,132.893 J400.2@125.489,136.081 ; v3(136.449,19.101) v3(136.449,24.816) ; v3(146.253,24.765) 146.18,24.838 R514.1@146.18,27.432 146.18,29.365 147.828,31.013 v3(147.828,55.067) ; 146.71,67.64 147.795,66.556 147.85,55.525 148.067,55.309 v3@148.209,55.169 ; 146.71,67.666 146.18,68.196 R412.1@146.18,69.596 146.18,70.92 147.803,72.542 147.803,90.793 148.275,91.266 148.275,96.485 147.955,96.805 v3(147.955,97.714)
  Top Layer w0.762: VR202.6@49.591,62.808 52.074,62.808 52.274,62.608 C206.2@58.42,62.608 61.344,62.608 v3(68.58,55.372) 68.58,49.276 70.612,47.244 70.612,43.688 68.58,41.656 68.58,37.084 70.612,35.052 R302.2@70.612,26.032 ; VR101.1@79.836,88.26 83.264,84.832 93.892,84.832 96.366,82.358 96.366,80.802 R322.1@96.396,80.772 ; v3(105.156,55.169) 105.156,60.452 TP200.1@108.712,64.008
  Bottom Layer w0.635: v3(45.898,90.018) 50.19,85.725 70.614,85.725 73.281,88.392 VR101.1@79.756,88.392 ; v3(99.517,116.18) 122.301,116.18 v3(122.352,116.129) ; v3(123.596,98.45) 124.257,97.79 124.714,97.79 124.79,97.714 v3(147.955,97.714) ; v3(126.105,18.917) 136.265,18.917 v3(136.449,19.101) ; v3(136.449,24.816) 146.202,24.816 v3(146.253,24.765)
  Bottom Layer w0.762: v3(68.58,55.372) 83.058,55.372 v3(84.455,56.769) 99.949,56.769 101.549,55.169 v3(105.156,55.169) 105.181,55.194 148.184,55.194 148.057,55.067 v3(147.828,55.067)
+2.6V: C101.2 C102.2 C120.1 R100.2 TP107.1 U103.4 VR100.2 | length 98.3
  Top Layer w0.635: U103.4@33.274,104.521 34.773,106.02 v3(40.488,106.02) ; v3(41.529,101.498) 44.631,101.498 49.555,96.574 47.93,94.948 47.93,92.253 49.383,90.8 50.653,90.8 v3(50.775,90.678) ; TP107.1@69.088,127 69.088,124.816 67.688,123.416 R100.2@67.688,120.904 67.688,119.18 70.612,116.256 70.612,114.808 ; C101.2@74.8,114.808 70.612,114.808 ; v3(74.803,104.623) 74.8,104.626 C102.2@74.8,108.204 74.749,108.255 72.568,108.255 70.612,110.211 VR100.2@70.612,111.76 70.612,114.808
  Bottom Layer w0.635: v3(40.488,106.02) 41.529,104.978 v3(41.529,101.498) ; v3(50.775,90.678) 50.923,90.678 52.345,89.256 67.335,89.256 74.803,96.723 v3(74.803,104.623)
+5V: C100.1 C104.2 C122.2 C129.2 C205.2 C207.2 C301.2 C302.2 C405.1 C410.1 C505.1 C506.1 D201.2 D205.1 R1.2 R121.2 R123.1 R201.2 R500.2 U100.4 U101.8 U103.1 U104.4 U300.4 U301.4 U400.4 U401.4 U500.4 U501.4 VR100.1 VR201.3 | length 520.6
  Top Layer w0.254: C104.2@108.588,122.936 C104.2@108.83,122.694
  Top Layer w0.305: C104.2@108.83,122.694 U101.8@114.249,122.694
  Top Layer w0.508: C129.2@85.217,107.699 85.217,105.867 86.309,104.775 U100.4@93.054,104.775 ; C506.1@117.224,15.748 117.224,13.713 118.11,12.827 U501.4@123.026,12.827 ; C410.1@126.467,113.462 127.94,113.462 128.753,112.649 128.753,111.227 129.616,110.363 U400.4@132.17,110.363
  Top Layer w0.635: U104.4@35.687,95.922 35.687,101.219 U103.1@37.084,102.616 37.291,102.616 37.923,103.248 C100.1@43.688,103.248 45.974,103.248 49.53,99.692 R121.2@49.784,99.692 R121.2@50.038,99.692 ; R123.1@46.104,109.22 46.104,109.286 46.421,109.604 C122.2@49.784,109.604 ; C122.2@50.04,109.602 51.244,108.397 51.244,100.899 R121.2@50.038,99.692 ; v3(52.281,94.165) 52.281,97.449 R121.2@50.038,99.692 ; C301.2@81.156,33.528 82.807,35.179 U300.4@87.466,35.179 ; C302.2@81.156,60.452 81.156,62.538 83.693,65.075 U301.4@83.693,69.178 ; C505.1@126.368,46.076 126.368,45.158 129.235,42.291 U500.4@132.17,42.291 ; C405.1@126.495,81.915 126.495,79.804 127.432,78.867 U401.4@132.17,78.867
  Top Layer w0.889: v3(111.43,42.367) 111.43,27.254 108.08,23.904 108.08,20.139 108.28,19.939 v3(108.28,18.974) 115.799,18.974 117.17,17.602 C506.1@117.17,15.802
  Top Layer w1.016: v3(119.812,111.023) 119.736,110.947 119.736,54.935 120.396,54.274 v3@120.396,42.723
  Top Layer w1.143: R201.2@39.624,53.464 C205.2@47.244,53.464 ; VR201.3@47.244,46.203 C205.2@47.244,53.464 ; VR201.3@47.371,46.228 50.886,46.228 51.351,45.763 D201.2@54.356,45.763 ; C122.2@49.784,109.604 49.786,109.602 C122.2@50.04,109.602 ; D201.2@54.399,45.72 56.388,45.72 59.82,42.288 D205.1@61.468,42.288 62.868,42.288 64.008,41.148 v3(64.008,30.988) v3(64.008,18.974) R1.2@64.008,8.004 ; v3@58.928,57.52 58.928,56.159 56.233,53.464 C207.2@54.356,53.464 C205.2@47.244,53.464 ; C302.2@81.128,60.424 81.204,60.347 v3(81.204,57.582) ; v3(81.156,31.112) C301.2@81.156,33.528 ; C129.2@85.217,107.699 v3(85.217,111.074) ; C104.2@108.588,122.936 108.588,119.961 110.211,118.339 v3(110.211,111.074) ; 120.472,85.242 125.349,85.242 126.495,84.096 C405.1@126.495,81.915 ; 120.929,48.819 125.832,48.819 126.368,48.282 C505.1@126.368,46.228 C505.1@126.368,46.076 ; v3(126.467,110.998) 126.467,113.462 C410.1@126.467,113.637
  Bottom Layer w0.889: v3(64.008,18.974) v3(108.28,18.974) ; v3(111.43,42.367) v3@120.396,42.367
  Bottom Layer w1.143: v3(52.281,94.165) 52.288,94.158 63.119,94.158 64.338,95.377 64.338,112.268 66.37,114.3 VR100.1@68.072,114.3 70.764,114.3 73.99,111.074 v3(85.217,111.074) v3(110.211,111.074) 126.39,111.074 v3(126.467,110.998) ; v3(58.928,57.531) v3@81.051,57.531 ; v3(64.008,30.988) 64.132,31.112 v3(81.156,31.112)
  other v3: 120.32,42.494
+12V: C107.2 C108.2 C109.2 C110.2 C111.2 C112.2 C121.2 C201.2 C202.2 D100.2 D101.2 D104.1 D200.2 D204.1 P102.3 R200.2 U102.15 U102.16 VR200.3 | length 277.9
  Top Layer w0.635: C112.2@82.42,128.016 82.42,129.283 83.744,130.607 87.935,130.607 ; U102.16@90.496,129.921 88.621,129.921 87.935,130.607 ; U102.15@90.496,131.191 88.519,131.191 87.935,130.607
  Top Layer w1.143: VR200.3@45.771,21.768 45.72,21.819 45.72,26.416 46.228,26.924 ; VR200.3@45.847,21.844 50.378,21.844 50.843,21.379 D200.2@53.848,21.379 55.329,21.379 59.312,17.396 D204.1@61.468,17.396 ; R200.2@48.892,26.924 46.228,26.924 ; D101.2@81.745,145.796 81.745,145.519 81.734,145.507 81.456,145.507 78.108,142.159 C107.2@78.108,139.7 ; D101.2@81.756,146.085 83.678,148.006 107.925,148.006 109.239,146.691 D104.1@109.239,146.448 ; C111.2@82.42,134.112 C108.2@78.108,134.112 ; C110.2@82.42,139.7 C107.2@78.108,139.7 ; v3(83.464,116.383) 81.745,116.383 ; C121.2@108.588,134.112 110.617,134.112 112.014,135.509 112.014,144.247 110.753,145.507 109.274,145.507 109.263,145.519 D104.1@109.263,145.796 ; 46.228,26.924 C201.2@42.04,26.924 C202.2@42.04,34.036 42.04,35.532 40.03,37.541 37.795,37.541 35.966,39.37 35.966,65.862 40.208,70.104 63.83,70.104 67.742,74.016 67.742,84.658 73.406,90.322 76.708,90.322 80.797,94.412 80.797,109.703 81.745,110.65 81.745,116.383 ; C108.2@78.108,134.112 C109.2@78.108,128.016 C112.2@82.42,128.016 82.42,123.72 81.745,123.045 D100.2@81.745,119.38 81.745,116.383 ; C108.2@78.108,134.112 C107.2@78.108,139.7
  Bottom Layer w1.143: v3(83.464,116.383) 95.047,116.383 P102.3@98.044,119.38